# Altium PCB 3-as-manufactured.PcbDoc (part 13 of 16) (continued)
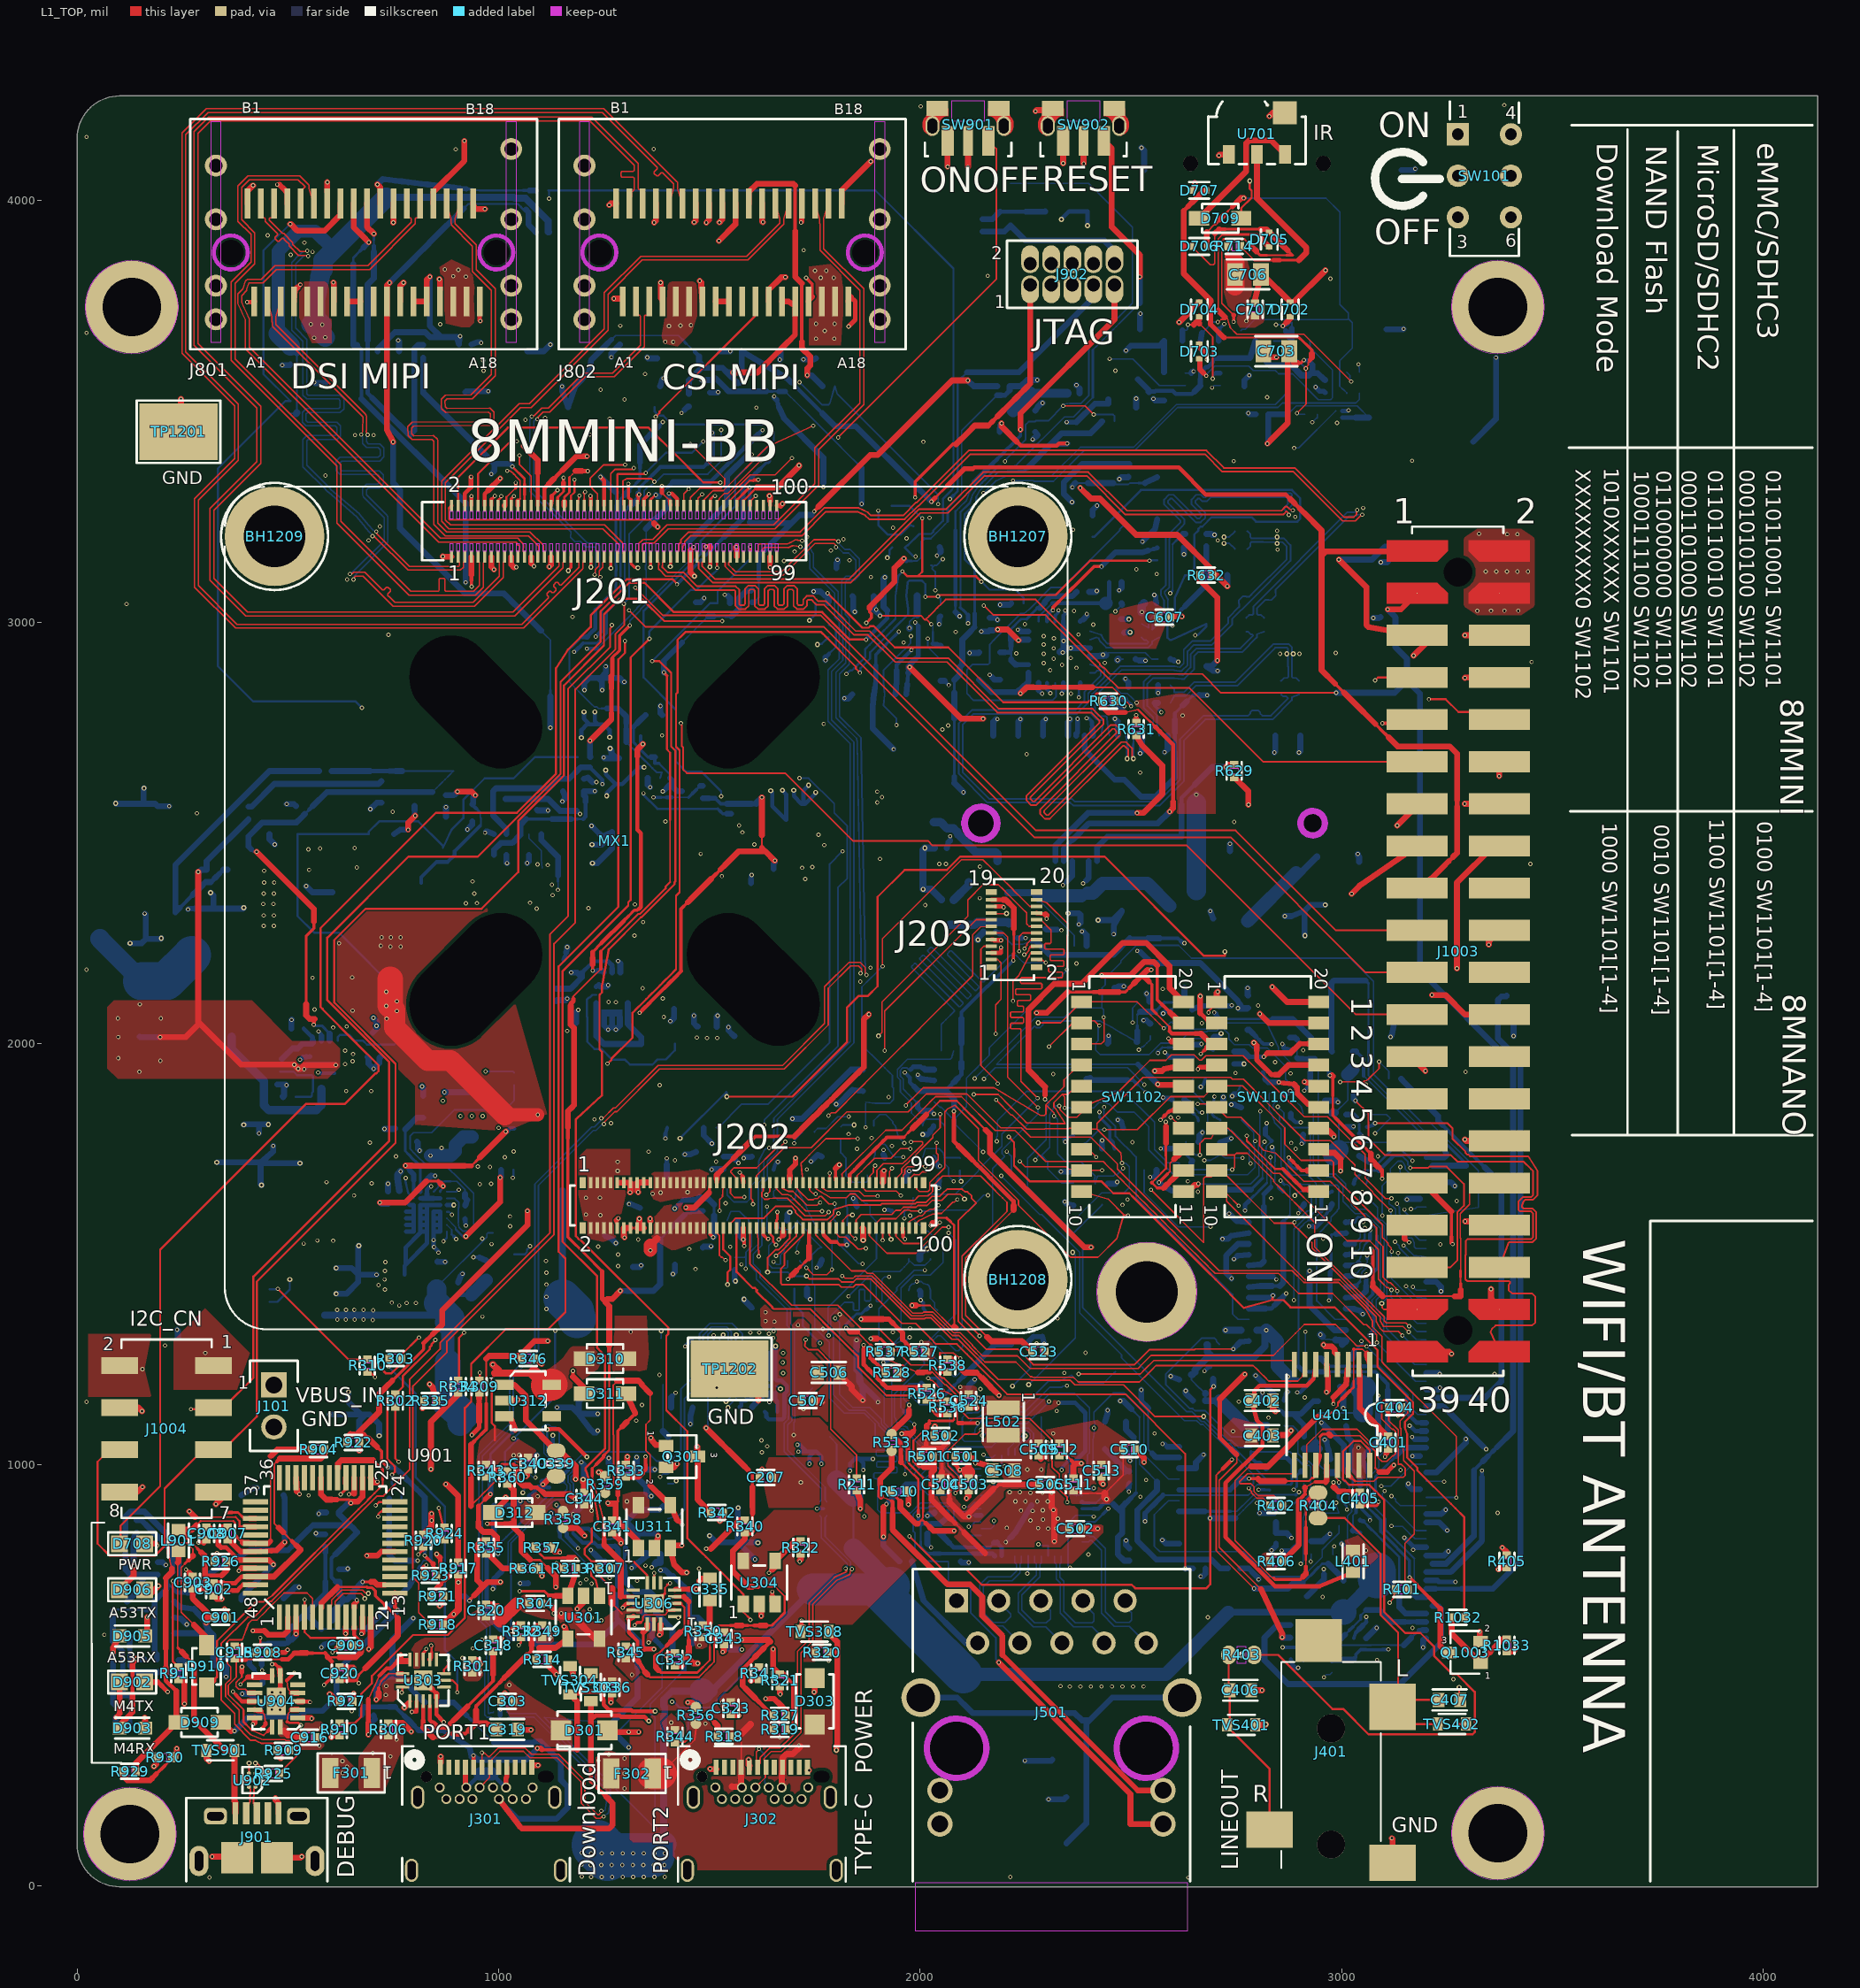
[diagram p0: L1_TOP view]
## Nets (pads, with @x,y where several pads share a name; then routed paths per layer and width w, separated by ;. In a path a pad name is that pad's centre, name@x,y a point inside that pad or via, vN(x,y) a via of type N, cw(c..) or ccw(c..) an arc to the next point about the centre after c; other vN are vias at no path point) (continued)
  L8_BOT w20: 2261.68,3543.23 C221.1@2348.74,3543.22
  L8_BOT w31.31: 476.67,3684.79 476.67,3880.5 524.17,3928 563.92,3928 608.23,3883.69 ; 2220.87,3502.43 2261.68,3543.23 ; 2711,1152 2768.69,1094.31
  L8_BOT w32: v1(2821.23,1319.67) 2847.34,1293.56 2847.34,1234.79 v1(2872.66,1209.46)
  L8_BOT w46.08: 476.67,3684.79 505.59,3655.87 ; v1(554,3707) 564.53,3717.53 569.47,3717.53 ; v1(588,3676) 575.5,3688.5 575.5,3700.5 v1(581,3706) 569.47,3717.53 ; 733.01,4008.47 608.23,3883.69 583.1,3858.56 583.1,3835.9 578.02,3830.82 575.5,3819.39 564.53,3760.65 564.53,3722.47 569.47,3717.53
  other v1: 574,334 579,376 2826.12,1112.03 2724.33,1319.55 1283,1472 1283.32,1499.36 1235.57,1517.95 1730.86,1701.36 1515.6,1719.54 1418,1723 1850.18,1749.9 1884.69,1775.89 1611,3509 1347,3589 1414,3665 1395.01,3665.33 562,3675 1404,3703 1431,3704 1456,3705
VDD_3V3: C202.1 C203.1 C207.1 C208.1 C211.1 C212.1 C217.1 C220.1 C403.1 C506.1 C507.1 C524.1 C706.1 C707.1 C708.1 C1003.1 D310.A J202.21 J202.23 J202.25 J202.27 J202.29 J202.31 J202.33 J202.35 J1004.1 J1004.2 L401.2 L501.1 R113.1 R134.1 R202.1 R204.1 R206.1 R208.1 R344.1 R345.1 R349.1 R350.1 R406.2 R506.1 R527.1 R528.1 R601.1 R603.1 R713.1 R714.1 R812.1 R1004.2 R1109.2 R1111.2 R1113.2 R1115.2 R1117.2 R1119.2 R1121.2 R1123.2 R1125.2 R1127.2 R1129.2 R1131.2 R1133.2 R1135.2 R1137.2 R1138.2 U201.24 U202.23 U202.24 U203.14 U401.15 U501.4 U508.7 U702.A1 | length 395.6
  L1_TOP w3.5: 2730.28,3868.63 R714.1@2730.28,3891.86
  L1_TOP w16.55: 2730.28,3868.63 2747.17,3851.74
  L1_TOP w46.08: C706.1@2747.17,3798.74 2747.17,3851.74
  L8_BOT w3.5: v1@1974.59,2986.31 1974.59,3000.96 1983.55,3009.92 1985.36,3009.92 1992.42,3016.98 ; v1(2018.08,2961.08) 2018.08,2940.97 2045.65,2913.4 R208.1@2048.32,2914.21 ; v1(2949.9,1309.17) 2959.1,1298.49 U201.24@2985.85,1296.49
  L8_BOT w10: U501.4@2397.64,943.07 2410.07,943.07 v1(2412,945)
  L8_BOT w13.03: v1(1505.06,1700.8) 1506.55,1702.29 R506.1@1534.07,1702.29 ; v1(2044.98,2995.1) 2044.98,3011.33 2047.46,3013.82 R202.1@2048.32,3013.82
  L8_BOT w16.55: v1(1974.33,2986.06) v1@1974.59,2986.31 ; 1992.42,3016.98 U203.14@1992.41,3062.02 ; v1(2949.9,1309.17) 2954.26,1304.81 ; U201.24@2985.85,1296.49 U201.24@3010.29,1294.08 3001.3,1286.06
  other v1: 1409.08,388.44 1316.08,501.86 3084.04,536.91 1476.26,571.69 1122.21,589.74 2811.34,774.11 3058,797 1716.87,958.29 3040.21,1040.59 2555.95,1074.35 2742.63,1079.59 1723.07,1132.88 2756,1150 2912.2,1160.12 2095.17,1184.7 1967.22,1211.42 154.25,1227.32 303.48,1265.5 208.22,1283.22 2002.77,1291.79 1313.11,1315.68 1976.01,1324.54 1709.99,1331.87 1466.63,1464.79 1452,1512 1330.98,1535.08 2480,1617 2832.59,1632.81 1364.88,1643.53 1383.95,1645.84 1448,1647 2658.85,1648.33 2635,1672.88 2891.15,1750.29 2880.61,1763.97 2503.42,1765.89 2612.29,1823.9 1925,1873 2315.79,1927.62 2879,1929 2748.04,1930.27 2842,1956 2908.73,1984.01 2750.56,2009.65 1162.5,2029.93 2668.28,2048.36 2575.26,2129.66 2011.98,2328.44 2141.45,2345.03 1570.26,2517.76 1832,3147 1935.56,3223.92 2022.04,3247.6 2989,3473 1298.41,3528.4 2822.97,3533.81 2462.87,3596.56 2773.85,3714.66
VDD_5V: C141.1 C142.1 C157.1 C159.1 C311.1 C313.1 C320.2 C327.1 C329.1 C336.2 C342.1 C343.1 C804.1 C807.1 C812.1 C815.1 J801.A16 J801.A17 J802.A16 J802.A17 J1003.2 J1003.4 Q101.5 R120.2 R304.1 R307.1 R318.1 R320.1 U301.5 U302.D2 U302.D3 U302.E2 U302.E3 U302.F2 U302.F3 U302.G2 U302.G3 U303.12 U304.5 U305.D2 U305.D3 U305.E2 U305.E3 U305.F2 U305.F3 U305.G2 U305.G3 U306.12 | length 1548
  L1_TOP w3.5: R307.1@1237.31,754.16 1237.3,738.23 1268.67,706.86 ; 1268.67,670.96 1283.31,656.32 1283.31,656.18 1293.14,646.34 1293.29,646.34
  L1_TOP w16.55: 1148.33,641.13 1155.54,640.35 1175.8,640.35 U301.5@1232.19,583.96 ; 1268.67,670.96 1268.67,706.86
  L1_TOP w31.31: 1002.83,630 1043.69,670.87
  L8_BOT w3.5: 1700.2,1081.39 1700.2,1100.36 1702.27,1102.43 1702.27,1110.19 1702.75,1110.67 1702.75,1140.15 C311.1@1744.48,1181.88
  L8_BOT w10: v1(857,1504) 857,1506 v1(846,1517) 845.22,1517.78 v1(845.22,1533.46) U305.G3@845.22,1553.6 ; v2(1196,2726) 1196,2744.13 1209.5,2757.63 C157.1@1215.5,2757.63 ; v2(1202,2787) 1202,2771.13 C157.1@1215.5,2757.63 ; v2(1228,2787) 1228,2765.11 C157.1@1235.48,2757.63 ; v2(1253.79,2648.69) 1254.18,2648.3 1254.18,2638.55 C142.1@1277.03,2615.7 ; v2(1256,2588) 1256.38,2588.38 1256.38,2595.05 C142.1@1277.03,2615.7 ; v2(1263,2727) 1263,2744.13 1249.5,2757.63 C157.1@1235.48,2757.63 ; v2(1344.74,2655.74) 1344.36,2655.36 1332.69,2655.36 1293.03,2615.7 C142.1@1285.03,2615.7 C142.1@1277.03,2615.7 ; v2(1645.44,2600.05) 1645.44,2599.51 1648.94,2596.02 1648.94,2563.52 Q101.5@1681.93,2530.53 1681.93,2591.76 1673,2600.68 v2(1673,2601) ; v2(1700,2601) 1700.38,2600.62 1700.38,2587.21 1718.68,2568.91 Q101.5@1722.68,2568.91 ; v2(1735,2613) 1735,2612.46 1722.68,2600.13 Q101.5@1722.68,2568.91 ; v2(1752,2596) 1751.62,2595.62 1751.62,2593.86 1726.68,2568.91 Q101.5@1722.68,2568.91 ; U305.G3@845.22,1553.6 U305.G2@860.97,1553.6 U305.F2@860.97,1569.34 ; U305.G3@845.22,1553.6 U305.F3@845.22,1569.34 ; U305.F3@845.22,1569.34 U305.F2@860.97,1569.34 ; U305.F3@845.22,1569.34 U305.E3@845.22,1585.09 ; U305.E3@845.22,1585.09 U305.E2@860.97,1585.09 ; U305.E3@845.22,1585.09 U305.D3@845.22,1600.84 U305.D2@860.97,1600.84 U305.E2@860.97,1585.09 ; U305.F2@860.97,1569.34 U305.E2@860.97,1585.09 ; C157.1@1215.5,2757.63 C157.1@1235.48,2757.63 ; U302.E2@1593.39,1234.75 U302.D2@1593.39,1219 U302.D3@1609.14,1219 U302.E3@1609.14,1234.75 ; U302.E2@1593.39,1234.75 U302.F2@1593.39,1250.5 ; U302.E2@1593.39,1234.75 U302.E3@1609.14,1234.75 ; U302.F2@1593.39,1250.5 U302.G2@1593.39,1266.24 U302.G3@1609.14,1266.24 U302.F3@1609.14,1250.5 ; U302.F2@1593.39,1250.5 U302.F3@1609.14,1250.5 ; U302.E3@1609.14,1234.75 U302.F3@1609.14,1250.5
  L8_BOT w31.31: v1(838,1734) 886.53,1734 896.54,1744.01 896.54,1758.92 915.89,1778.27 C327.1@936.87,1778.27
  other v1: 1148.27,647.85 1700,1071 864,1752 999.75,1800.05 909,1828 936,1828 962,1828 3322,3027 3354.33,3027 3386.67,3027 3419,3027 3342,3120 3367,3120 3392,3120 3417,3120 3442,3120 3393,3209 3417,3209 3326,3210 964,3597 963,3621 1753,3673 1796,3673 1773.48,3691.47 1753,3708 1797,3708 1764,3817 1795,3817 922,3820 892,3821 1750,3834 1777,3834 904,3836 872,3837
  other v3: 1597,1314 1618,1314 1654,1340 1633,1341 1633,1362
VDDEXT_3V3: C118.1 C119.1 C120.1 C121.1 C122.2 L102.2 R110.1 R602.1 R811.1 U102.2 | length 387.3
  L8_BOT w5: U102.2@1231.25,2115.35 1222.25,2115.35 1216.06,2109.16 1213.73,2109.16 1208.75,2104.18 1208.75,2064.25 1210,2063 1210,2004 1227,1987 1243.79,1987 1269.43,1961.36 1299.76,1961.36 1311.12,1950 1364.77,1950 1376.77,1962 1396.25,1962 1417.75,1983.5 L102.2@1417.75,1999
  other v1: 1494,2013 1518,2013 1470,2014 1898,2572 1909.25,2584.71 1898,2598 1387.66,2730.97 1215.63,3445.17 1263,3483 1241.61,3551.76
VEXT_3V3: C803.1 C806.1 C811.1 C814.1 J801.A13 J801.A14 J802.A13 J802.A14 J1003.1 J1003.17 R811.2 R812.2 | length 4824.2
  L1_TOP w4.85: 2124.55,3363.99 2128.05,3367.48
  L1_TOP w5.87: 2035.88,3295.18 2065.17,3324.47
  L1_TOP w6.9: 2984.39,2853.96 3005.63,2832.71 ; 3080,2758.35 3090.62,2747.72
  L1_TOP w7.92: 3090.62,2747.72 3111.87,2726.47
  L1_TOP w9.96: 2128.05,3367.48 2613.52,3367.48 2678.24,3302.76 2744.03,3302.76 2867.46,3302.76 2878.1,3292.13 ; 2888.73,3281.5 2899.36,3270.87 ; 3254.63,2432.97 3264.43,2442.76
  L1_TOP w10.99: v1(2026.69,3285.99) 2035.88,3295.18 ; 3274.22,2562.17 3274.22,2577.83
  L1_TOP w12.01: 2065.17,3324.47 2104.68,3363.99 2124.55,3363.99 ; 2899.36,3270.87 2909.99,3260.24
  L1_TOP w13.03: 1643.65,3622.31 1653.58,3632.24 1663.51,3642.17 ; 1693.3,3671.96 1703.23,3681.89 J802.A14@1703.24,3761.22 J802.A14@1698.72,3753.61 ; 3244.83,2423.17 3254.63,2432.97 ; 3274.22,2546.51 3274.22,2562.17
  L1_TOP w14.05: J801.A13@797.17,3761.22 J801.A14@828.67,3761.22 828.66,3812.28 v1(836.25,3819.87) ; v1(1555.75,3592.52) 1613.86,3592.52 1633.72,3612.38 1643.65,3622.31 ; 1663.51,3642.17 1673.44,3652.1 1683.37,3662.03 1693.3,3671.96 ; J802.A13@1671.74,3761.22 1687.48,3761.22 1698.28,3753.9 J802.A14@1698.72,3753.61 ; 2878.1,3292.13 2888.73,3281.5 ; 2909.99,3260.24 2952.52,3217.71 2952.52,3157.57 ; 2984.39,2853.96 2952.52,2885.83 2952.52,3157.57 ; 3005.63,2832.71 3026.88,2811.46 3080,2758.35 ; 3111.87,2726.47 3133.12,2705.23 3256.44,2705.23 3274.22,2687.44 3274.22,2577.83 ; 3171.03,3167.95 2962.89,3167.95 2952.52,3157.57 ; J1003.17@3179.19,2368.79 3215.44,2393.78 3244.83,2423.17 ; 3264.43,2442.76 3274.22,2452.56 3274.22,2546.51
  L3_INT w14.05: v1(908.45,3678.95) 945.4,3642 1067.84,3642 1150.23,3559.61 v1(1150.23,3559.47)
  L8_BOT w3.5: 1277.09,3680.29 1426.08,3680.29
  L8_BOT w3.83: 1267.56,3670.77 1277.09,3680.29 ; 1426.08,3680.29 1435.9,3670.47 ; 1445.73,3660.64 1455.55,3650.82 1465.38,3641
  L8_BOT w6.9: 1435.9,3670.47 1445.73,3660.64
  L8_BOT w8.94: 1694.57,3568.83 1704.97,3558.44 1715.36,3548.04 1736.15,3527.25 1746.55,3516.86 1756.94,3506.46 1767.34,3496.07
  L8_BOT w9.96: C803.1@905.53,3659.45 908.53,3669.45 v1(908.45,3678.95) ; 1465.38,3641 1475.2,3631.17
  L8_BOT w12.01: 1258.04,3661.25 1267.56,3670.77
  L8_BOT w13.03: 2019.42,3293.25 v1(2026.69,3285.99)
  L8_BOT w14.05: C811.1@712.23,3642.83 712.23,3646.97 753.45,3688.2 825.2,3688.2 836.98,3676.42 862.95,3676.42 836.25,3703.12 v1(836.25,3819.87) ; 862.96,3676.42 901.83,3676.42 902.53,3669.45 C803.1@905.53,3659.45 ; v1(1150.23,3559.47) 1150.47,3559.23 1150.47,3549.43 R811.2@1164.3,3510.02 1182.31,3561.26 R812.2@1214.07,3593.03 1219.95,3623.15 1238.99,3642.2 1248.52,3651.72 1258.04,3661.25 ; C806.1@1451.13,3541.38 1451.14,3573.9 1473.73,3596.49 1485.03,3607.78 ; 1475.2,3631.17 1475.2,3617.61 1485.03,3607.78 ; v1(1555.75,3592.52) 1542.25,3592.52 1531.35,3603.42 ; 1694.57,3568.83 1684.18,3579.23 C814.1@1576.25,3642.83 1576.24,3572.42 1571.99,3568.17 1567.07,3567.22 1540.28,3594.02 1531.35,3602.95 1531.35,3603.42 ; 1767.34,3496.07 1777.73,3485.67 1788.13,3475.28 1798.52,3464.88 1847.26,3464.88 1992.37,3319.76 1992.91,3319.76 2012.16,3300.51 2019.42,3293.25 ; 1485.03,3607.78 1489.39,3603.42 1531.35,3603.42
VLDO1_3V3: C317.1 D312.A U302.A5 | length 956.5
  L1_TOP w14.05: D312.A@986.41,886.97 1016.51,917.07 v1(1016.51,923)
  L3_INT w14.05: v1(1325.85,1105.07) 1342.51,1121.73 1377.78,1121.73 1422.61,1076.9 1471.96,1076.9 ; v1(1454.58,1096.81) 1454.58,1094.27 1471.96,1076.9 ; v1(1642,1149) 1642,1147.95 1627.6,1133.55 1561.03,1133.55 1561.03,1128.95 1551.05,1118.97 1536.95,1118.97 1526.97,1128.95 1526.97,1133.55 1514.29,1133.55 1471.96,1091.21 1471.96,1076.9
  L6_INT w3.5: 1016.51,962.78 1087.58,1033.85 1108.47,1033.85 1143.46,1068.84 1143.46,1089.73 1158.8,1105.07
  L6_INT w14.05: v1(1016.51,923) 1016.51,962.78 ; 1158.8,1105.07 v1(1325.85,1105.07)
  L8_BOT w10.99: U302.A5@1641.03,1171.37 1642,1170.4 v1(1642,1149)
  L8_BOT w14.05: v1(1454.58,1096.81) 1454.58,1116.35 C317.1@1460.13,1136
VLDO2_3V3: C334.1 D313.A U305.A5 | length 566
  L6_INT w8.94: 900.02,1675.35 901.7,1675.35 918.47,1658.58 918.47,1656.9 921.67,1653.7
  L6_INT w10.99: 889.2,1686.17 900.02,1675.35
  L6_INT w14.05: v1(848.92,1686.17) 889.2,1686.17 ; 921.67,1653.7 943.31,1632.06 943.31,1496.31 v1(940,1493)
  L8_BOT w5.87: 777.98,1757.52 777.98,1744.59 786.92,1735.65 ; 777.98,1770.45 777.98,1796.3
  L8_BOT w6.9: 777.98,1757.52 777.98,1770.45 ; 786.92,1735.65 795.86,1726.71 804.8,1717.78 813.74,1708.84 813.74,1663.27
  L8_BOT w7.92: v1(940,1493) 940.4,1492.6 953.43,1492.6 D313.A@953.75,1492.28
  L8_BOT w9.96: 813.74,1663.27 U305.A5@813.73,1648.08 814.17,1648.5 814.17,1661.16
  L8_BOT w12.01: 839.18,1686.17 v1(848.92,1686.17)
  L8_BOT w13.03: 814.17,1661.16 822.5,1669.49 830.84,1677.83
  L8_BOT w14.05: 777.98,1796.3 805.95,1824.27 C334.1@820.76,1824.27 ; 830.84,1677.83 839.18,1686.17 ; D313.A@953.75,1492.28 D313.A@970.06,1484.83
VLDO_3V3: C314.1 C331.1 C337.1 C338.1 C340.1 C344.1 D310.C D312.C D313.C R343.1 R353.1 R354.1 R358.1 U308.A3 U310.A3 U311.5 U312.5 | length 759
  L1_TOP w5: 990.29,1058.88 990.29,1092.38 982.99,1099.68 982.99,1205.52 990.29,1212.81 990.29,1217.65
  L1_TOP w16.55: v1(985.63,1238.25) 1000.7,1223.19 1000.7,1217.65 ; 990.29,1217.65 1000.7,1217.65 ; 1083.94,1217.65 1000.7,1217.65
  L1_TOP w31.31: 1083.94,1217.65 U312.5@1113.76,1187.83
  L1_TOP w75.61: U312.5@1113.76,1187.83 U312.5@1125.69,1190
  L8_BOT w3.5: 1038.25,1014.77 C337.1@1038.24,1003.18 1045.49,995.95 1045.49,992.47 1053.36,984.6 1066.99,984.6 1080.49,971.1 1084,971.1 1084.84,970.26 1084.84,969.85 v1(1087,969.85) ; v1@1084.04,971.1 v1(1087,969.85) ; v1@1085.87,973.89 1085.87,970.99 v1(1087,969.85) ; 1085.89,978 1085.89,982.52 1085.38,983.03 1085.38,995.32 1091.63,1001.57 1101.79,1001.57 1103.37,1000 1107.89,1000 ; v1@1176.16,882.9 v1(1176.41,882.9) ; 1389.65,1079.61 1389.65,1190.65 ; C314.1@1401.38,1067.74 C314.1@1401.38,1067.88
  L8_BOT w10: C331.1@903.71,1403.46 935.02,1403.46 ; U310.A3@1176.15,869.52 1176.41,869.79 v1(1176.41,882.9)
  L8_BOT w16.55: v1(1176.41,882.9) 1207.53,914.01 1207.53,914.27 ; 1389.65,1079.61 C314.1@1401.38,1067.88
  L8_BOT w20: C338.1@1202.3,938.62 1207.53,924.44 1207.53,914.27
  L8_BOT w31.31: 935.02,1403.46 943.22,1411.67 970.06,1438.5
  other v1: 1220.32,891.48 1304,913 1092.28,925.41 1035.19,1022.68 1049.11,1023.56 1381.13,1213.69 1236.22,1252.24 961.08,1351.82
VPCIE_3V3: C617.1 C618.1 C620.1 C621.1 C622.1 C623.1 C624.1 C625.1 J601.2 J601.4 J601.72 J601.74 R601.2 R602.2 R626.1 R627.1 | length 1655.6
  L8_BOT w3.5: 2276.39,2345.49 2297.66,2324.22 2365.33,2256.55 C621.1@2365.33,2231.7 ; R627.1@2464.86,2845.96 2464.86,2842.46 2476.69,2830.63 2491.42,2830.63 2498.77,2823.29 2499.04,2823.29 v1(2513.55,2808.78) ; 2815.2,2317.07 2877.14,2379.01
  L8_BOT w16.55: 2207.52,2358.3 2375.18,2358.3 C618.1@2380.08,2356.91 ; C618.1@2382.44,2350.91 C618.1@2380.09,2356.9 ; C618.1@2396.57,2356.91 C618.1@2380.08,2356.91 ; 2655.37,2571.02 v1(2655.37,2590.64) ; 2877.14,2379.01 2941.43,2443.3
  L8_BOT w20: R602.2@2031.73,2525.73 2048.29,2525.73 2063.32,2510.69 2079.02,2510.69 2090.11,2499.61 2090.11,2496.2 2132.53,2453.78 2179.3,2453.78 2183.3,2449.78 J601.74@2183.3,2433.28 ; R601.2@2069.73,2281.5 2128.89,2281.5 2135.29,2287.9 2208.1,2287.9 2211,2285
  L8_BOT w31.31: 2281.81,2350.91 C618.1@2382.44,2350.91 ; C618.1@2396.57,2356.91 2409.77,2356.91 2432.67,2379.81 2538.68,2379.81 C625.1@2592.01,2326.47 ; C624.1@2777.05,2290.6 J601.2@2891.94,2405.5
  L8_BOT w46.08: 2655.37,2362.78 2655.37,2571.02
  other v1: 2622.84,2778.27
VSD_3V3: C702.1 C703.1 C704.1 J701.4 TVS702.2 U702.A2 | length 1339.2
  L1_TOP w7.92: 2895.86,3615.17 2903.5,3615.17 2910.12,3621.79 v1(2910.68,3621.79)
  L1_TOP w14.05: v1(2823.63,3423.79) 2835.7,3435.86 2871.91,3472.07 2871.91,3616.54 C703.1@2875.61,3643.05 2887.27,3615.17 2895.86,3615.17
  L8_BOT w3.5: 2872.17,3493.43 2892.36,3513.62 3036.57,3513.62 3064.62,3485.57
  L8_BOT w8.94: v1(2910.68,3621.79) 2910.89,3621.59 2920.4,3621.59 2922.82,3619.16
  L8_BOT w9.96: 2664.71,3576.7 2664.71,3592.14 ; U702.A2@3001.73,3485.55 3017.46,3485.56
  L8_BOT w10: 2541.42,3547.52 2556.86,3547.52 2558.37,3549.03 2599.49,3549.03 2606.85,3541.67 2645.36,3541.67 2651.21,3547.52 ; 2665.37,3592.79 2677.57,3605 2682.36,3605 2694.56,3617.2 2694.56,3621.99 2699,3626.42
  L8_BOT w10.99: 2664.71,3592.14 2665.36,3592.79 ; 3017.46,3485.56 3033.17,3485.56
  L8_BOT w12.01: 2866.1,3493.43 2872.17,3493.43
  L8_BOT w13.03: 2664.71,3561.26 2664.71,3576.7 ; 2923.82,3587.85 2923.82,3589.25 2925.68,3591.1 2926.4,3591.1 2933.56,3591.1
  L8_BOT w14.05: TVS702.2@2516.57,3576.36 2541.42,3551.5 2541.42,3547.52 2542.77,3546.18 ; 2651.21,3547.52 2664.71,3561.02 2664.71,3561.26 ; 2699,3626.42 2782.42,3626.42 J701.4@2795.12,3667.38 J701.4@2802.4,3637.98 ; v1(2823.63,3423.79) 2826.16,3426.32 C702.1@2826.15,3493.42 2866.1,3493.43 ; 2922.82,3619.16 2930.95,3611.04 2930.95,3595.65 2926.4,3591.1 ; 2933.56,3591.1 2943.17,3591.1 2957.71,3576.56 2958.7,3576.56 C704.1@2960.67,3574.59 ; 3033.17,3485.56 3064.61,3485.56
  L8_BOT w15: J701.4@2802.4,3637.98 2831.03,3609.34 2880.98,3609.34 2904.54,3585.79 2921.75,3585.79 2923.82,3587.85
WOL_INT: J202.46 U501.40 | length 1124.4
  L1_TOP w5: J202.46@1564.27,1561.93 1564.15,1561.81 1564.15,1457.94 1602.64,1419.45 1607.87,1419.45 1613,1414.32 1610.83,1412.15 1649.12,1373.87 1649.12,1372.98 1652.08,1370.01 1739.23,1370.01 1752.42,1356.82 1785.13,1324.1 1796.04,1313.2 1806.94,1302.29 1839.66,1269.58 1852.85,1256.39 1852.85,1231.8 1919.87,1164.78 1931.88,1164.78 1974.78,1164.78 v1(1976,1166)
  L8_BOT w3.5: v1(1976,1166) 1999.27,1142.73 2025.02,1142.73 2027.84,1145.55 2038.27,1145.55 2044.01,1139.8 2054.7,1139.8 2070.19,1124.31 2070.19,1058.26 2086.16,1042.3 2169.06,1042.3 2187.64,1060.88 2212.6,1060.88 2232.46,1080.74 2253.88,1080.74 2260.75,1073.87 2260.75,1064.13 2253.72,1057.11 2243.48,1057.11 2224.68,1038.3 U501.40@2224.68,1023.3
pads on no net: J202. J203. J301.29 J301.A2 J301.A3 J301.A8 J301.A10 J301.A11 J301.B2 J301.B3 J301.B8 J301.B10 J301.B11 J302.29 J302.A2 J302.A3 J302.A8 J302.A10 J302.A11 J302.B2 J302.B3 J302.B8 J302.B10 J302.B11 J401. J401.4 J501. J601. J601.6 J601.16 J601.38 J601.40 J601.42 J601.44 J601.46 J601.48 J601.54 J601.59 J601.61 J601.62 J601.64 J601.65 J601.66 J601.67 J601.68 J601.70 J601.71 J601.73 J701. J801. J801.A10 J802. J802.A10 J901.4 J1001. J1003. J1003.18 J1003.22 J1003.26 J1003.27 J1003.28 J1003.29 MX1. SW101.1 SW101.4 U101.3 U101.4 U102.7 U202.14 U202.15 U203.6 U203.9 U308.C3 U308.D1 U308.D2 U310.C3 U310.D1 U310.D2 U312.4 U501.42 U501.43 U501.45 U501.46 U601.4 U901.1 U901.15 U901.16 U901.17 U901.19 U901.20 U901.21 U901.22 U901.30 U901.32 U901.33 U901.35 U901.36 U901.37 U901.38 U901.48 U904.6 U904.9

## Polygon pours and split planes (outlines as drawn)
USB1_OTG_VBUS on L3_INT "POUR_39" (solid, remove dead copper, pour order 276): 39 vertices, not listed, extent 681,208.33 947.4,355.8
ENET_AVDD33 on L3_INT "POUR_0" (solid, remove dead copper, pour order 243): 2081.66,962.7 2084.42,991.38 2087.66,994.62 2093.97,1000.93 2099.8,1005.84 2145.8,994.43 2223.47,889.23 2290.75,821.96 2301.24,811.47 2280.25,790.48 2202.48,868.24 2084.42,958.55
USB2_OTG_VBUS_F on L3_INT "USB2_OTG_VBUS_F_L03_P461" (solid, remove dead copper, pour order 461): 30 vertices, not listed, extent 651,212 1412,1504
PCIE_VDDA_1V8 on L3_INT "POUR_95" (solid, remove dead copper, pour order 324): 2193.26,2920.48 2273.06,2993.15 2490.94,3073.03 2531.89,3032.08 2569.49,2987.49 2536.51,2916.83 2470.34,2875.8 2390.41,2845.62 2063.37,2736.22 2052.75,2736.22 2043.83,2736.22 2043.83,2754.05 2127.78,2825.86
ENET_DVDDL_1V1 on L3_INT "POUR_12" (solid, remove dead copper, pour order 254): 2351.88,1266.11 2392.07,1306.29 2493.15,1248.99 2493.15,1207 2493.15,1165.02 2374.25,1109.09 2319.75,1108.55 2265.36,1108.55 2266.39,1180.61
SYS_5V on L3_INT "POUR_27" (solid, remove dead copper, pour order 266): 1373.64,2062.81 1373.64,2080.64 1409.31,2080.64 1412.46,1911.66 1409.31,1893.83 1390.54,1889.73 1380.04,1879.24 1359.05,1900.23
SYS_5V on L3_INT "POUR_24" (solid, remove dead copper, pour order 263): 1122.34,2403.96 1143.81,2403.96 1158.65,2403.96 1217.99,2327.54 1224.3,2321.24 1211.69,2308.63 1125.17,2364.49 1112.56,2377.1
SYS_5V on L3_INT "POUR_26" (solid, remove dead copper, pour order 265): 1309.72,2260.21 1318.85,2375.68 1322.36,2454.67 1311.98,2495.35 1326.39,2498.73 1393.35,2516.11 1491.98,2505.7 1527.15,2507.18 1626.07,2504.55 1668,2493 1656.84,2448.97 1473.37,2340.52 1445.86,2310.21 1386.9,2254.65 1314.02,2245.48
SYS_5V on L3_INT "POUR_25" (solid, remove dead copper, pour order 264): 1176,1555 1176,1774.52 1331.17,1774.52 1386.72,1774.52 1386.72,1555
5V_REG on L3_INT "POUR_18" (solid, remove dead copper, pour order 257): 429,2425.52 797.82,2473.68 971.31,2414.69 1010.62,2375.38 1010.62,2369.29 938.86,2297.53 832.54,2263.85 429,2263.85
USB2_OTG_VBUS on L3_INT "POUR_57" (solid, remove dead copper, pour order 290): 1638.45,381.88 1692.02,381.88 1720.43,381.88 1716.29,335.81 1716.66,334.76 1720.43,325.06 1666.87,325.06 1638.45,325.06
ENET_DVDDL_1V1 on L3_INT "POUR_11" (solid, remove dead copper, pour order 253): 2292.48,1015.32 2299.63,1008.17 2314.92,992.88 2284.34,962.29 2229.71,972.07 2229.71,1015.32
USB1_OTG_VBUS on L3_INT "POUR_40" (solid, remove dead copper, pour order 277): 955.68,519.93 1033.92,486.71 1033.92,468.88 981.51,468.88 949.37,501.01 943.07,507.32
USB2_OTG_VBUS on L3_INT "POUR_56" (solid, remove dead copper, pour order 289): 1508.83,458.17 1552.09,458.17 1570.64,387.87 1552.09,366.25 1528.4,345.63 1481.39,376.89 1481.39,394.73
VBUS_IN on L8_BOT "VBUS_IN_L08_P440" (solid, remove dead copper, pour order 440): 64 vertices, not listed, extent 1165.73,0 3136.8,1220.92
5VREG_SW on L8_BOT "5VREG_SW_L08_P468" (solid, remove dead copper, pour order 468): 103,2101 89,2087 89,1948 111,1926 190,1926 205,1941 205,2089 193,2101
USB1_VBUS_IN on L8_BOT "POUR_48" (solid, remove dead copper, pour order 284): 27 vertices, not listed, extent 1495.78,942.37 1693.24,1289
VPCIE_3V3 on L8_BOT "VPCIE_3V3_L08_P466" (solid, remove dead copper, pour order 466): 2019.23,2543.23 1992.23,2543.23 1987,2538 1987,2488 2020.88,2454.12 2072.08,2454.12 2135.38,2390.82 2158.74,2390.82 2218,2450.08 2218,2542 2200,2560 2158,2560 2145,2573 2049,2573
VDD_5V on L8_BOT "VDD_5V_L08_P465" (solid, remove dead copper, pour order 465): 859,3814 859,3840 869,3850 913,3850 997.31,3765.69 997.31,3659.31 990.4,3652.4 886.97,3652.4 857.45,3681.92
SYS_5V on L8_BOT "SYS_5V_L08_P463" (solid, remove dead copper, pour order 463): 1050.95,2518.85 1050.95,2495.08 1031.75,2475.87 1031.75,2240.25 1103.57,2168.43 1185.33,2168.43 1255.11,2238.22 1255.11,2489.57 1206.04,2538.65 1200.15,2532.76 1064.87,2532.76
USB2_VBUS_IN on L8_BOT "USB2_VBUS_IN_L08_P435" (solid, remove dead copper, pour order 435): 767.58,1678.49 786,1660.07 786,1540.97 767.07,1522.04 744.14,1522.04 729.53,1507.43 626.72,1507.43 608.12,1488.82 608.12,1549.29 712.65,1653.82 712.65,1660.73 737.73,1682.6
USB2_OTG_VBUS_F on L8_BOT "POUR_60" (solid, remove dead copper, pour order 293): 22 vertices, not listed, extent 709.31,1369.13 863.94,1539.45
VDD_1V8 on L8_BOT "VDD_1V8_L08_P454" (solid, remove dead copper, pour order 454): 18 vertices, not listed, extent 1311.66,3469.16 1655.95,3680.29
VDD_3V3 on L8_BOT "VDD_3V3_L08_P453" (solid, remove dead copper, pour order 453): 1393.72,1534.96 1393.72,1505.11 1450.34,1448.5 1501.5,1448.5 1518,1465 1518,1491.3 1470.71,1538.59 1470.71,1554.77 1417.88,1554.77 1416.76,1553.65
SYS_5V on L8_BOT "SYS_5V_L08_P452" (solid, remove dead copper, pour order 452): 1283.6,2206.83 1324.05,2166.38 1324.05,2046.22 1331.78,2038.5 1391.5,2038.5 1404.75,2051.75 1404.75,2244.55 1643.94,2483.73 1643.94,2551.2 1617.56,2577.58 1576.98,2537 1314,2537 1314,2454.01 1255.11,2395.12
GND on L8_BOT "GND_L08_P450" (solid, remove dead copper, pour order 450): 21 vertices, not listed, extent 1040.57,984.6 1476.04,1338
GND on L8_BOT "GND_L08_P449" (solid, remove dead copper, pour order 449): 567.61,2272.41 522.44,2317.58 522.44,2497.15 768.73,2497.15 775.81,2494.24 682,2318.1 682,2212.93 625.97,2272.41
PCIE_VDD_1V8 on L8_BOT "PCIE_VDD_1V8_L08_P444" (solid, remove dead copper, pour order 444): 2347.01,2976.86 2347.01,3020.01 2362,3035 2438.24,3035 2463.25,3009.99 2463.25,2965 2433.53,2965 2420.48,2978.05 2379.37,2978.05 2378.18,2976.86
PCIE_VDDA_1V8 on L8_BOT "PCIE_VDDA_1V8_L08_P443" (solid, remove dead copper, pour order 443): 2378.18,2928.86 2411.85,2928.86 2421.7,2938.71 2584.9,2938.71 2584.9,2895.59 2425.42,2895.59 2415.73,2905.28 2378.18,2905.28
VDD_1V8 on L8_BOT "VDD_1V8_L08_P438" (solid, remove dead copper, pour order 438): 24 vertices, not listed, extent 2634.68,1053.73 2905.16,1327.67
VPCIE_3V3 on L8_BOT "POUR_200" (solid, remove dead copper, pour order 421): 40 vertices, not listed, extent 2444.15,2803.82 2518.5,2867.66
VLDO_3V3 on L8_BOT "POUR_195" (solid, remove dead copper, pour order 416): 39 vertices, not listed, extent 1075.98,964.01 1136.86,1010.27
VDD_5V on L8_BOT "POUR_177" (solid, remove dead copper, pour order 401): 45 vertices, not listed, extent 1548.37,2359.41 1745.38,2590.46
VDD_5V on L8_BOT "POUR_174" (solid, remove dead copper, pour order 398): 31 vertices, not listed, extent 814.82,1731.56 1005.71,1842.81
VDD_3V3 on L8_BOT "POUR_162" (solid, remove dead copper, pour order 386): 43 vertices, not listed, extent 2969.33,3462.76 3002.66,3502.21
VDD_3V3 on L8_BOT "POUR_146" (solid, remove dead copper, pour order 371): 37 vertices, not listed, extent 2607.33,1794.96 2651.45,1838.37
VDD_3V3 on L8_BOT "POUR_144" (solid, remove dead copper, pour order 369): 31 vertices, not listed, extent 2902.22,1963.81 2949.22,2005.22
VDD_3V3 on L8_BOT "POUR_143" (solid, remove dead copper, pour order 368): 39 vertices, not listed, extent 2709.57,1877.96 2752.99,1935.23
VDD_3V3 on L8_BOT "POUR_142" (solid, remove dead copper, pour order 367): 27 vertices, not listed, extent 2490.26,1757.62 2531.67,1821.77
VDD_3V3 on L8_BOT "POUR_139" (solid, remove dead copper, pour order 364): 37 vertices, not listed, extent 2827.63,1598.58 2882.86,1639.99
VDD_3V3 on L8_BOT "POUR_136" (solid, remove dead copper, pour order 361): 28 vertices, not listed, extent 2650.58,1628.94 2701.22,1672.35
VDD_3V3 on L8_BOT "POUR_122" (solid, remove dead copper, pour order 348): 39 vertices, not listed, extent 2971.58,1230.5 3048.99,1313.78
VDD_1V8 on L8_BOT "POUR_91" (solid, remove dead copper, pour order 320): 28 vertices, not listed, extent 1315.51,1491.64 1622.13,1738.87
VDD_1V8 on L8_BOT "POUR_90" (solid, remove dead copper, pour order 319): 27 vertices, not listed, extent 1659.22,1608.86 1776.15,1722.16
VDD_1V8 on L8_BOT "POUR_89" (solid, remove dead copper, pour order 318): 22 vertices, not listed, extent 1849.06,1611.5 2039.73,1814.05
VDD_1V8 on L8_BOT "POUR_87" (solid, remove dead copper, pour order 316): 44 vertices, not listed, extent 2802.45,915.07 2983.22,1112.03
VDD_1V8 on L8_BOT "POUR_86" (solid, remove dead copper, pour order 315): 32 vertices, not listed, extent 1918.65,2651.74 2251.3,3532.85
VDD_1V8 on L8_BOT "POUR_85" (solid, remove dead copper, pour order 314): 34 vertices, not listed, extent 1295.89,3637.73 1399.97,3681.14
VDD_1V8 on L8_BOT "POUR_84" (solid, remove dead copper, pour order 313): 24 vertices, not listed, extent 545.97,3581.85 676.58,3724.26
VBUS_IN on L8_BOT "POUR_73" (solid, remove dead copper, pour order 304): 948.37,1576.71 950.47,1580.05 1032.01,1750.96 1083.21,1842.05 1173.58,1842.05 1173.58,1764.72 1111.57,1547.18 854.25,1415.55 843.33,1404.63 839.12,1434.21 863,1444.08 863.94,1473.79 947.23,1574.35
VBUS_IN on L8_BOT "POUR_70" (solid, remove dead copper, pour order 301): 549,2242.81 561.78,2263.15 617.88,2263.15 645.22,2235.82 647.69,2234.95 649.91,2233.56 773.51,2109.96 773.51,2006.8 773.51,1905.1 769.04,1880 686.28,1880 621,1878.33 570.25,1959.08 549,2019.82
VBUS_EXT on L8_BOT "POUR_68" (solid, remove dead copper, pour order 299): 42 vertices, not listed, extent 2955.57,1930.61 3068.51,2149.99
USB2_VBUS_IN on L8_BOT "POUR_65" (solid, remove dead copper, pour order 297): 31 vertices, not listed, extent 560.95,1575.22 782.13,1789.4
USB2_OTG_VBUS_F on L8_BOT "POUR_61" (solid, remove dead copper, pour order 294): 19 vertices, not listed, extent 1178.68,591.2 1281.27,749.97
5V_REG on L8_BOT "POUR_20" (solid, remove dead copper, pour order 259): 27 vertices, not listed, extent 316.88,2221.69 495.45,2451.73
VPCIE_3V3 on L8_BOT "POUR_199" (solid, remove dead copper, pour order 420): 27 vertices, not listed, extent 2614.57,2769.99 2683.8,2818.7
ENET_VDDIO on L8_BOT "ENET_VDDIO_L08_P457" (solid, remove dead copper, pour order 457): 2009.39,963.38 2009.39,954.88 2020.89,943.38 2075.27,943.38 2086,932.65 2086,918.1 2077.2,909.3 2000.82,909.3 1977.6,886.08 1906.08,886.08 1898.75,893.41 1898.75,955.93 1905.82,963 1918,963